# Altium PCB NFC-Reader.PcbDoc (part 2 of 3) (continued)
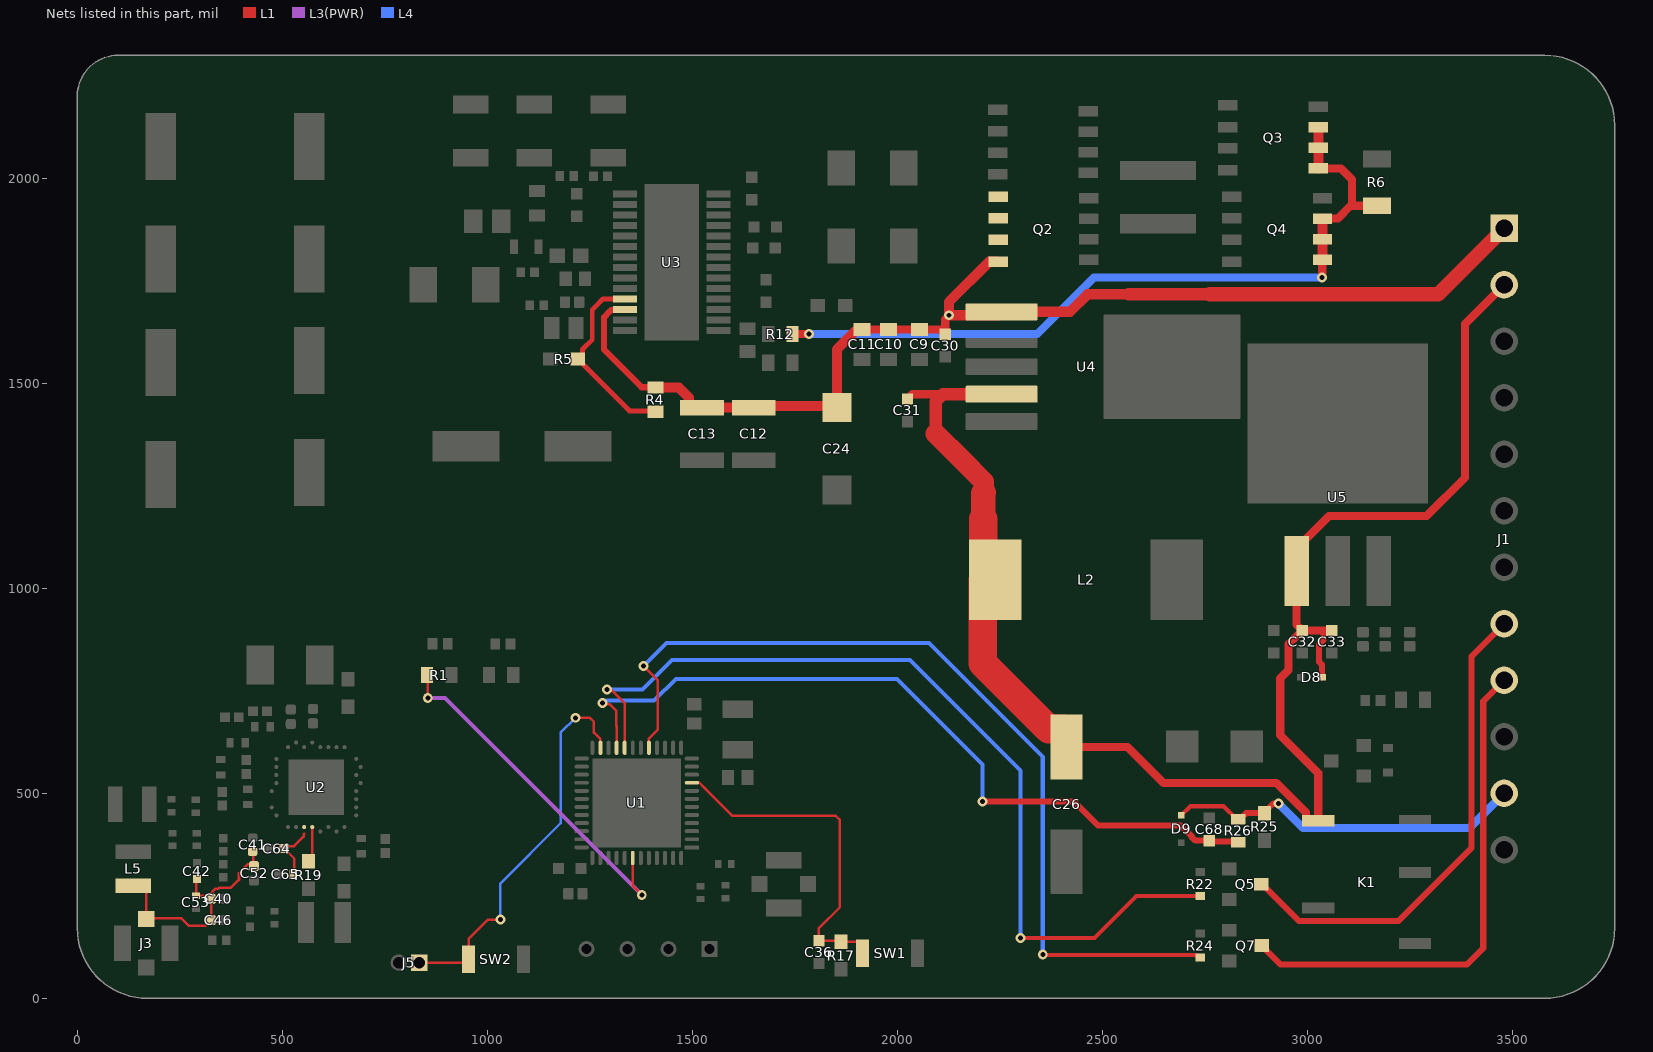
[diagram p4: the nets of this part, all layers, seen from the top]
## Part data (continued)
J4: "4 Position Header Connector Post Tin", LCSC PN=C6723467, Manufacturer=Samtec, Manufacturer Lifecycle Status=PRODUCTION, Max Current Rating=1A, Max Operating Temperature=105°C, Min Operating Temperature=-55°C, Category="Headers and Wire Housings", ComponentLink1Description=https://datasheet.octopart.com:443/TS-104-T-AA-Samtec-datasheet-97318998.pdf?src-supplier=Master+Electronics, ComponentLink1URL=https://datasheet.octopart.com:443/TS-104-T-AA-Samtec-datasheet-97318998.pdf?src-supplier=Master+Electronics, ComponentLink2Description=https://datasheet.octopart.com:443/TS-104-T-AA-Samtec-datasheet-150856305.pdf?src-supplier=Electro+Sonic, ComponentLink2URL=https://datasheet.octopart.com:443/TS-104-T-AA-Samtec-datasheet-150856305.pdf?src-supplier=Electro+Sonic, ComponentLink3Description=https://datasheet.octopart.com:443/TS-104-T-AA-Samtec-datasheet-13698575.pdf?src-supplier=Electro+Sonic, ComponentLink3URL=https://datasheet.octopart.com:443/TS-104-T-AA-Samtec-datasheet-13698575.pdf?src-supplier=Electro+Sonic, ComponentLink4Description=https://datasheet.octopart.com:443/TS-104-T-AA-Samtec-datasheet-37173861.pdf?src-supplier=Electro+Sonic, ComponentLink4URL=https://datasheet.octopart.com:443/TS-104-T-AA-Samtec-datasheet-37173861.pdf?src-supplier=Electro+Sonic, ComponentLink5Description=https://datasheet.octopart.com:443/TS-104-T-AA-Samtec-datasheet-41643166.pdf?src-supplier=Farnell, ComponentLink5URL=https://datasheet.octopart.com:443/TS-104-T-AA-Samtec-datasheet-41643166.pdf?src-supplier=Farnell, ComponentLink6Description=https://datasheet.octopart.com:443/TS-104-T-AA-Samtec-datasheet-28904454.pdf?src-supplier=Farnell, ComponentLink6URL=https://datasheet.octopart.com:443/TS-104-T-AA-Samtec-datasheet-28904454.pdf?src-supplier=Farnell, ComponentLink7Description=https://datasheet.octopart.com:443/TS-104-T-AA-Samtec-datasheet-8451641.pdf?src-supplier=Farnell, ComponentLink7URL=https://datasheet.octopart.com:443/TS-104-T-AA-Samtec-datasheet-8451641.pdf?src-supplier=Farnell, ComponentLink8Description=https://datasheet.octopart.com:443/TS-104-T-AA-Samtec-datasheet-179090728.pdf?src-supplier=Sager+Electronics, ComponentLink8URL=https://datasheet.octopart.com:443/TS-104-T-AA-Samtec-datasheet-179090728.pdf?src-supplier=Sager+Electronics, ComponentLink9Description=https://datasheet.octopart.com:443/TS-104-T-AA-Samtec-datasheet-118235246.pdf?src-supplier=Sager+Electronics, ComponentLink9URL=https://datasheet.octopart.com:443/TS-104-T-AA-Samtec-datasheet-118235246.pdf?src-supplier=Sager+Electronics, ComponentLink10Description=https://datasheet.octopart.com:443/TS-104-T-AA-Samtec-datasheet-116533476.pdf?src-supplier=Toby+Electronics, ComponentLink10URL=https://datasheet.octopart.com:443/TS-104-T-AA-Samtec-datasheet-116533476.pdf?src-supplier=Toby+Electronics, ComponentLink11Description=https://datasheet.octopart.com:443/TS-104-T-AA-Samtec-datasheet-116536303.pdf?src-supplier=Toby+Electronics, ComponentLink11URL=https://datasheet.octopart.com:443/TS-104-T-AA-Samtec-datasheet-116536303.pdf?src-supplier=Toby+Electronics, Contact Material=Brass, Contact Plating=Tin, Gender=Male, Lifecycle Status=Production, Manufacturer Part Number=TS-104-T-AA, Mounting Technology="Through Hole", Number of Contacts=4, Number of Rows=1, Orientation=Straight, Pitch=2.54mm, Pricing="1=0.73, 50=0.57, 100=0.46, 500=0.39, 1000=0.372 (USD)", Radiation Hardening=No, REACH SVHC=No, RoHS=Compliant, Stock=916, Supplier=DigiKey, Termination=Solder
J5: "Connector Header Through Hole 2 position 0.050\" (1.27mm)", LCSC Part Number=C6045317, Manufacturer=Samtec, Manufacturer Lifecycle Status=PRODUCTION, Category="Headers and Wire Housings", ComponentLink1Description=https://datasheet.octopart.com:443/FTS-102-01-F-S-Samtec-datasheet-97029283.pdf?src-supplier=Newark, ComponentLink1URL=https://datasheet.octopart.com:443/FTS-102-01-F-S-Samtec-datasheet-97029283.pdf?src-supplier=Newark, ComponentLink2Description=https://sigma.octopart.com:443/97029285/technical_drawing/Samtec-FTS-102-01-F-S.pdf?src-supplier=Newark, ComponentLink2URL=https://sigma.octopart.com:443/97029285/technical_drawing/Samtec-FTS-102-01-F-S.pdf?src-supplier=Newark, ComponentLink3Description=https://datasheet.octopart.com:443/FTS-102-01-F-S-Samtec-datasheet-118493358.pdf?src-supplier=Electro+Sonic, ComponentLink3URL=https://datasheet.octopart.com:443/FTS-102-01-F-S-Samtec-datasheet-118493358.pdf?src-supplier=Electro+Sonic, ComponentLink4Description=https://datasheet.octopart.com:443/FTS-102-01-F-S-Samtec-datasheet-165596534.pdf?src-supplier=JRH+Electronics, ComponentLink4URL=https://datasheet.octopart.com:443/FTS-102-01-F-S-Samtec-datasheet-165596534.pdf?src-supplier=JRH+Electronics, ComponentLink5Description=https://datasheet.octopart.com:443/FTS-102-01-F-S-Samtec-datasheet-176663378.pdf?src-supplier=Toby+Electronics, ComponentLink5URL=https://datasheet.octopart.com:443/FTS-102-01-F-S-Samtec-datasheet-176663378.pdf?src-supplier=Toby+Electronics, ComponentLink6Description=https://datasheet.octopart.com:443/FTS-102-01-F-S-Samtec-datasheet-116535195.pdf?src-supplier=Toby+Electronics, ComponentLink6URL=https://datasheet.octopart.com:443/FTS-102-01-F-S-Samtec-datasheet-116535195.pdf?src-supplier=Toby+Electronics, ComponentLink7Description=https://datasheet.octopart.com:443/FTS-102-01-F-S-Samtec-datasheet-136395376.pdf?src-supplier=Toby+Electronics, ComponentLink7URL=https://datasheet.octopart.com:443/FTS-102-01-F-S-Samtec-datasheet-136395376.pdf?src-supplier=Toby+Electronics, ComponentLink8Description=https://datasheet.octopart.com:443/FTS-102-01-F-S-Samtec-datasheet-151470456.pdf?src-supplier=Sager+Electronics, ComponentLink8URL=https://datasheet.octopart.com:443/FTS-102-01-F-S-Samtec-datasheet-151470456.pdf?src-supplier=Sager+Electronics, Contact Plating=Gold, Gender=Male, Lifecycle Status=Production, Manufacturer Part Number=FTS-102-01-F-S, Mounting Technology="Through Hole", Number of Contacts=2, Number of Rows=1, Packaging=Bulk, Pitch=1.27mm, Pricing="1=0.49, 50=0.4252, 100=0.3608, 500=0.2994, 1000=0.25609, 2000=0.252 (USD)", Radiation Hardening=No, RoHS=Compliant, Stock=861, Supplier=DigiKey, Termination=Solder
K1: "Telecom Relay SPDT (1 Form C) Surface Mount", Ambient Temperature Range High=85°C, Clock Frequency=900MHz, Coil Current=28mA, Coil Power=140mW, Coil Resistance=178Ω, Coil Voltage (DC)=3.75V, Contact Current Rating=3A, Contact Resistance=50mΩ, Contact Voltage Rating (AC)=250V, Contact Voltage Rating (DC)=220V, Current Rating=4A, Insulation Resistance=1TΩ, LCSC PN=C574842, Manufacturer="TE Connectivity", Manufacturer Lifecycle Status=ACTIVE, Min Operating Temperature=-40°C, Category="Signal Relays", China RoHS=Compliant, Coil Type=Non-Latching, ComponentLink1Description=https://datasheet.octopart.com:443/1462042-8-TE-Connectivity-datasheet-137420492.pdf?src-supplier=JRH+Electronics, ComponentLink1URL=https://datasheet.octopart.com:443/1462042-8-TE-Connectivity-datasheet-137420492.pdf?src-supplier=JRH+Electronics, ComponentLink2Description=https://datasheet.octopart.com:443/1462042-8-TE-Connectivity-datasheet-179946163.pdf?src-supplier=IHS, ComponentLink2URL=https://datasheet.octopart.com:443/1462042-8-TE-Connectivity-datasheet-179946163.pdf?src-supplier=IHS, ComponentLink3Description=https://sigma.octopart.com:443/38875905/technical_drawing/TE-Connectivity-1462042-8.pdf?src-supplier=TE+Connectivity, ComponentLink3URL=https://sigma.octopart.com:443/38875905/technical_drawing/TE-Connectivity-1462042-8.pdf?src-supplier=TE+Connectivity, ComponentLink4Description=https://datasheet.octopart.com:443/1462042-8-TE-Connectivity-datasheet-14547674.pdf?src-supplier=TE+Connectivity, ComponentLink4URL=https://datasheet.octopart.com:443/1462042-8-TE-Connectivity-datasheet-14547674.pdf?src-supplier=TE+Connectivity, ComponentLink5Description=https://datasheet.octopart.com:443/1462042-8-TE-Connectivity-datasheet-136865190.pdf?src-supplier=TE+Connectivity, ComponentLink5URL=https://datasheet.octopart.com:443/1462042-8-TE-Connectivity-datasheet-136865190.pdf?src-supplier=TE+Connectivity, ComponentLink6Description=https://datasheet.octopart.com:443/1462042-8-TE-Connectivity-datasheet-136861145.pdf?src-supplier=TE+Connectivity, ComponentLink6URL=https://datasheet.octopart.com:443/1462042-8-TE-Connectivity-datasheet-136861145.pdf?src-supplier=TE+Connectivity, ComponentLink7Description=https://sigma.octopart.com:443/136536779/technical_drawing/TE-Connectivity-1462042-8.pdf?src-supplier=TE+Connectivity, ComponentLink7URL=https://sigma.octopart.com:443/136536779/technical_drawing/TE-Connectivity-1462042-8.pdf?src-supplier=TE+Connectivity, ComponentLink8Description=https://sigma.octopart.com:443/68321908/technical_drawing/TE-Connectivity-1462042-8.pdf?src-supplier=TE+Connectivity, ComponentLink8URL=https://sigma.octopart.com:443/68321908/technical_drawing/TE-Connectivity-1462042-8.pdf?src-supplier=TE+Connectivity, ComponentLink9Description=https://sigma.octopart.com:443/14546022/technical_drawing/TE-Connectivity-1462042-8.pdf?src-supplier=TE+Connectivity, ComponentLink9URL=https://sigma.octopart.com:443/14546022/technical_drawing/TE-Connectivity-1462042-8.pdf?src-supplier=TE+Connectivity, ComponentLink10Description=https://datasheet.octopart.com:443/1462042-8-TE-Connectivity-datasheet-130056123.pdf?src-supplier=Electro+Sonic, ComponentLink10URL=https://datasheet.octopart.com:443/1462042-8-TE-Connectivity-datasheet-130056123.pdf?src-supplier=Electro+Sonic, ComponentLink11Description=https://datasheet.octopart.com:443/1462042-8-TE-Connectivity-datasheet-129083727.pdf?src-supplier=Electro+Sonic, ComponentLink11URL=https://datasheet.octopart.com:443/1462042-8-TE-Connectivity-datasheet-129083727.pdf?src-supplier=Electro+Sonic, ComponentLink12Description=https://datasheet.octopart.com:443/1462042-8-Tyco-Electronics-datasheet-11758492.pdf?src-supplier=Electro+Sonic, ComponentLink12URL=https://datasheet.octopart.com:443/1462042-8-Tyco-Electronics-datasheet-11758492.pdf?src-supplier=Electro+Sonic, ComponentLink13Description=https://datasheet.octopart.com:443/1462042-8-TE-Connectivity-datasheet-114345573.pdf?src-supplier=Master+Electronics, ComponentLink13URL=https://datasheet.octopart.com:443/1462042-8-TE-Connectivity-datasheet-114345573.pdf?src-supplier=Master+Electronics, ComponentLink14Description=https://datasheet.octopart.com:443/1462042-8-TE-Connectivity-datasheet-82456702.pdf?src-supplier=Farnell, ComponentLink14URL=https://datasheet.octopart.com:443/1462042-8-TE-Connectivity-datasheet-82456702.pdf?src-supplier=Farnell, ComponentLink15Description=https://datasheet.octopart.com:443/1462042-8-TE-Connectivity-datasheet-147567808.pdf?src-supplier=RS+(Formerly+Allied+Electronics), ComponentLink15URL=https://datasheet.octopart.com:443/1462042-8-TE-Connectivity-datasheet-147567808.pdf?src-supplier=RS+(Formerly+Allied+Electronics), ComponentLink16Description=https://datasheet.octopart.com:443/1462042-8-TE-Connectivity-datasheet-147411287.pdf?src-supplier=RS+(Formerly+Allied+Electronics), ComponentLink16URL=https://datasheet.octopart.com:443/1462042-8-TE-Connectivity-datasheet-147411287.pdf?src-supplier=RS+(Formerly+Allied+Electronics), ComponentLink17Description=https://datasheet.octopart.com:443/1462042-8-TE-Connectivity-datasheet-147402889.pdf?src-supplier=RS+(Formerly+Allied+Electronics), ComponentLink17URL=https://datasheet.octopart.com:443/1462042-8-TE-Connectivity-datasheet-147402889.pdf?src-supplier=RS+(Formerly+Allied+Electronics), ComponentLink18Description=https://datasheet.octopart.com:443/1462042-8-Axicom-datasheet-15983679.pdf?src-supplier=Newark, ComponentLink18URL=https://datasheet.octopart.com:443/1462042-8-Axicom-datasheet-15983679.pdf?src-supplier=Newark, ComponentLink19Description=https://datasheet.octopart.com:443/1462042-8-TE-Connectivity-datasheet-15792550.pdf?src-supplier=Future+Electronics, ComponentLink19URL=https://datasheet.octopart.com:443/1462042-8-TE-Connectivity-datasheet-15792550.pdf?src-supplier=Future+Electronics, ComponentLink20Description=http://sigma.octopart.com:80/99347369/materials_sheet/TE-Connectivity-1462042-8.pdf?src-supplier=Compliance+Statements, ComponentLink20URL=http://sigma.octopart.com:80/99347369/materials_sheet/TE-Connectivity-1462042-8.pdf?src-supplier=Compliance+Statements, ComponentLink21Description=http://sigma.octopart.com:80/14547716/rohs_certificate/AMP-1462042-8.pdf?src-supplier=Compliance+Statements, ComponentLink21URL=http://sigma.octopart.com:80/14547716/rohs_certificate/AMP-1462042-8.pdf?src-supplier=Compliance+Statements, Contact Material="Gold, Ruthenium", Contact Plating=Gold, Depth=7.5mm, Electrical Life=100kcycles, ELV=Compliant, Height=5.65mm, Insertion Loss (dB)=-0.03dB, Lead Free="Lead Free", Length=9.9822mm, Lifecycle Status=Production, Manufacturer Part Number=1462042-8, Max Current Rating=3A, Max Operating Temperature=85°C, Max Voltage Rating (AC)=250V, Max Voltage Rating (DC)=220V, Mounting Technology="Surface Mount", Number of Contacts=1, Number of Terminals=5, Operate Time=1ms, Packaging="Tape and Reel", Pins=5, Pricing="1=4.05, 10=3.609, 25=3.4468, 50=3.3286, 100=3.2145, 250=3.06948, 500=2.96408 (USD)", REACH SVHC=Yes, Relay Type=Relay, Release Time=2ms, Response Time=2ms, RoHS=Compliant, Sealable="IP67, RT5", Supplier=DigiKey, Switching Current=4A, Termination=PCB, Throw Configuration=SPDT, Voltage Rating (AC)=250V, Voltage Rating (DC)=220V, Weight=750mg, Width=5.6388mm
L1: library part XAL5050-562MEC, "5.6 µH Shielded Molded Inductor 7.2 A 25.8mOhm Max Nonstandard", DC Resistance (DCR)=25.8mΩ, LCSC PN=C7305309, Manufacturer=Coilcraft, Max Current Rating=7.2A, Max Operating Temperature=125°C, Min Operating Temperature=-40°C, Self Resonant Frequency=25MHz, Test Frequency=1MHz, Tolerance=20%, Category="Fixed Inductors", ComponentLink1Description=https://datasheet.octopart.com:443/XAL5050-562MEC-Coilcraft-datasheet-180122023.pdf?src-supplier=IHS, ComponentLink1URL=https://datasheet.octopart.com:443/XAL5050-562MEC-Coilcraft-datasheet-180122023.pdf?src-supplier=IHS, ComponentLink2Description=https://datasheet.octopart.com:443/XAL5050-562MEC-Coilcraft-datasheet-10792017.pdf?src-supplier=Coilcraft+Direct, ComponentLink2URL=https://datasheet.octopart.com:443/XAL5050-562MEC-Coilcraft-datasheet-10792017.pdf?src-supplier=Coilcraft+Direct, Core Material=Composite, Height=5.1mm, Lead Free="Contains Lead", Length=5.68mm, Lifecycle Status=Production, Manufacturer Part Number=XAL5050-562MEC, Max DC Current=7.2A, Number of Circuits=1, Number of Terminals=2, Pricing="1=4.11, 100=3.6, 250=2.715, 500=1.635 (USD)", REACH SVHC=Yes, RoHS=Compliant, Shielding=Yes, Stock=4733, Supplier="DigiKey Marketplace", Termination=SMD/SMT, Width=5.28mm
L2: library part AMDLA1306Q-101MT, "100 µH Shielded Molded Inductor 3.8 A 161mOhm Max Nonstandard", DC Resistance (DCR)=161mΩ, LCSC PN=C1016338, Manufacturer=Abracon, Max Current Rating=3.8A, Max Operating Temperature=155°C, Min Operating Temperature=-55°C, Test Frequency=100kHz, Tolerance=20%, Category="Fixed Inductors", ComponentLink1Description=https://datasheet.octopart.com:443/AMDLA1306Q-101MT-Abracon-datasheet-182205435.pdf?src-supplier=IHS, ComponentLink1URL=https://datasheet.octopart.com:443/AMDLA1306Q-101MT-Abracon-datasheet-182205435.pdf?src-supplier=IHS, ComponentLink2Description=http://sigma.octopart.com:80/conflict_mineral_statement/Abracon-company-27.pdf?src-supplier=Compliance+Statements, ComponentLink2URL=http://sigma.octopart.com:80/conflict_mineral_statement/Abracon-company-27.pdf?src-supplier=Compliance+Statements, Height=6.2mm, Lifecycle Status=Production, Manufacturer Part Number=AMDLA1306Q-101MT, Number of Circuits=1, Number of Terminals=2, Pricing="500=0.69478 (USD)", REACH SVHC=Yes, RoHS=Compliant, Shielding=Yes, Supplier=DigiKey, Width=12.6mm
L3: library part 744762215A, "150 nH Unshielded Drum Core, Wirewound Inductor 800 mA 220mOhm Max 1008 (2520 Metric)", Ambient Temperature Range High=110°C, Ambient Temperature Range Low=-40°C, Case Code (Imperial)=1008, Case Code (Metric)=2520, Current Rating=800mA, DC Resistance (DCR)=220mΩ, Frequency=100MHz, Inductance Tolerance=5%, Manufacturer="Wurth Elektronik", Max Operating Temperature=125°C, Self Resonant Frequency=880MHz, Case/Package=1008, Category="Fixed Inductors", ComponentLink1Description=https://datasheet.octopart.com:443/744762215A-Wurth-Elektronik-datasheet-168491789.pdf?src-supplier=Wurth+Elektronik, ComponentLink1URL=https://datasheet.octopart.com:443/744762215A-Wurth-Elektronik-datasheet-168491789.pdf?src-supplier=Wurth+Elektronik, ComponentLink2Description=https://datasheet.octopart.com:443/744762215A-W%C3%BCrth-Elektronik-datasheet-11520320.pdf?src-supplier=element14+APAC, ComponentLink2URL=https://datasheet.octopart.com:443/744762215A-W%C3%BCrth-Elektronik-datasheet-11520320.pdf?src-supplier=element14+APAC, ComponentLink3Description=https://datasheet.octopart.com:443/744762215A-Wurth-Elektronik-datasheet-181536004.pdf?src-supplier=Newark, ComponentLink3URL=https://datasheet.octopart.com:443/744762215A-Wurth-Elektronik-datasheet-181536004.pdf?src-supplier=Newark, Composition="Ceramic, Wirewound", Core Material=Ceramic, ESR=220mΩ, Height=1.6mm, Length=2.5mm, Manufacturer Part Number=744762215A, Material=Ceramic, Max DC Current=800mA, Min Operating Temperature=-40°C, Mounting Technology="Surface Mount", Pricing="1=0.47, 10=0.45, 50=0.419, 100=0.388, 500=0.357, 1000=0.327, 2000=0.2664 (USD)", Q Factor=45, REACH SVHC=Unknown, RoHS=Compliant, Shielding=Unshielded, Stock=3153, Supplier=DigiKey, Termination=SMD/SMT, Test Frequency=100MHz, Tolerance=5%, Weight=20mg, Width=2mm
L4: library part BWCS00292821R91J00, "910 nH Unshielded Drum Core, Wirewound Inductor 380 mA 1.68Ohm Max 1008 (2520 Metric)", Case/Package=1008, DC Resistance (DCR)=1.68Ω, LCSC PN=C5564290, Manufacturer="Pulse Electronics", Max Current Rating=380mA, Max Operating Temperature=125°C, Min Operating Temperature=-40°C, Self Resonant Frequency=320MHz, Test Frequency=25MHz, Tolerance=5%, Category="Fixed Inductors", ComponentLink1Description=https://datasheet.octopart.com:443/BWCS00292821R91J00-Pulse-datasheet-180094650.pdf?src-supplier=IHS, ComponentLink1URL=https://datasheet.octopart.com:443/BWCS00292821R91J00-Pulse-datasheet-180094650.pdf?src-supplier=IHS, ComponentLink2Description=https://datasheet.octopart.com:443/BWCS00292821R91J00-Pulse-datasheet-155427417.pdf?src-supplier=IHS, ComponentLink2URL=https://datasheet.octopart.com:443/BWCS00292821R91J00-Pulse-datasheet-155427417.pdf?src-supplier=IHS, Core Material=Ceramic, Height=2.1mm, Lifecycle Status=Production, Manufacturer Part Number=BWCS00292821R91J00, Number of Circuits=1, Number of Terminals=2, Pricing="2000=0.08178 (USD)", Q Factor=35, REACH SVHC=Yes, RoHS=Compliant, Shielding=No, Supplier=DigiKey, Width=2.79mm
L5: library part 744762233A, "330 nH Unshielded Drum Core, Wirewound Inductor 500 mA 900mOhm Max 1008 (2520 Metric)", Ambient Temperature Range High=110°C, Ambient Temperature Range Low=-40°C, Case Code (Imperial)=1008, Case Code (Metric)=2520, Current Rating=500mA, DC Resistance (DCR)=900mΩ, Frequency=100MHz, Inductance Tolerance=5%, Manufacturer="Wurth Elektronik", Max Operating Temperature=125°C, Self Resonant Frequency=570MHz, Case/Package=1008, Category="Fixed Inductors", ComponentLink1Description=https://datasheet.octopart.com:443/744762233A-Wurth-Elektronik-datasheet-168491793.pdf?src-supplier=Farnell, ComponentLink1URL=https://datasheet.octopart.com:443/744762233A-Wurth-Elektronik-datasheet-168491793.pdf?src-supplier=Farnell, ComponentLink2Description=https://datasheet.octopart.com:443/744762233A-W%C3%BCrth-Elektronik-datasheet-11534833.pdf?src-supplier=element14+APAC, ComponentLink2URL=https://datasheet.octopart.com:443/744762233A-W%C3%BCrth-Elektronik-datasheet-11534833.pdf?src-supplier=element14+APAC, ComponentLink3Description=https://datasheet.octopart.com:443/744762233A-Wurth-Elektronik-datasheet-181536009.pdf?src-supplier=Newark, ComponentLink3URL=https://datasheet.octopart.com:443/744762233A-Wurth-Elektronik-datasheet-181536009.pdf?src-supplier=Newark, ComponentLink4Description=https://datasheet.octopart.com:443/744762233A-W%C3%BCrth-Elektronik-datasheet-111089033.pdf?src-supplier=RS+(Formerly+Allied+Electronics), ComponentLink4URL=https://datasheet.octopart.com:443/744762233A-W%C3%BCrth-Elektronik-datasheet-111089033.pdf?src-supplier=RS+(Formerly+Allied+Electronics), Composition="Ceramic, Wirewound", Core Material=Ceramic, ESR=900mΩ, Height=1.6mm, Length=2.5mm, Manufacturer Part Number=744762233A, Material=Ceramic, Max DC Current=500mA, Min Operating Temperature=-40°C, Mounting Technology="Surface Mount", Pricing="1=0.47, 10=0.45, 50=0.419, 100=0.388, 500=0.357, 1000=0.327, 2000=0.2664 (USD)", Q Factor=45, REACH SVHC=Unknown, RoHS=Compliant, Shielding=Unshielded, Stock=5048, Supplier=DigiKey, Termination=SMD/SMT, Test Frequency=100MHz, Tolerance=5%, Weight=20mg, Width=2mm
Q1 Q2 Q3 Q4: "N-Channel 80 V 7A (Ta), 23A (Tc) 2.5W (Ta), 32W (Tc) Surface Mount PG-TDSON-8-5", Continuous Drain Current (ID)=7A, Drain to Source Resistance=34mΩ, Drain to Source Voltage (Vdss)=80V, Gate to Source Voltage (Vgs)=20V, Input Capacitance=564pF, LCSC PN=C83511, Manufacturer=Infineon, Max Operating Temperature=150°C, Max Power Dissipation=32W, Min Operating Temperature=-55°C, Package Quantity=5000, Category=MOSFETs, China RoHS=Compliant, ComponentLink1Description=https://datasheet.octopart.com:443/BSC340N08NS3GATMA1-Infineon-datasheet-11791424.pdf?src-supplier=IHS, ComponentLink1URL=https://datasheet.octopart.com:443/BSC340N08NS3GATMA1-Infineon-datasheet-11791424.pdf?src-supplier=IHS, ComponentLink2Description=https://datasheet.octopart.com:443/BSC340N08NS3-G-Infineon-datasheet-10738940.pdf?src-supplier=iiiC, ComponentLink2URL=https://datasheet.octopart.com:443/BSC340N08NS3-G-Infineon-datasheet-10738940.pdf?src-supplier=iiiC, ComponentLink3Description=http://sigma.octopart.com:80/conflict_mineral_statement/Infineon-company-51.pdf?src-supplier=Compliance+Statements, ComponentLink3URL=http://sigma.octopart.com:80/conflict_mineral_statement/Infineon-company-51.pdf?src-supplier=Compliance+Statements, Fall Time=2ns, Halogen Free="Halogen Free", Lead Free="Contains Lead", Lifecycle Status=Production, Manufacturer Part Number=BSC340N08NS3GATMA1, Max Dual Supply Voltage=80V, Min Breakdown Voltage=80V, Mounting Technology="Surface Mount", Number of Elements=1, Number of Terminals=8, On-State Resistance=34mΩ, Packaging="Tape & Reel", Pins=8, Power Dissipation=32W, Pricing="1=0.78, 10=0.632, 100=0.4682, 500=0.41688, 1000=0.35938, 2000=0.34976 (USD)", Radiation Hardening=No, Rds On Max=34mΩ, REACH SVHC=No, Rise Time=3ns, RoHS=Compliant, Schedule B="8541290080, 8541290080|8541290080|8541290080|8541290080|8541290080", Stock=65358, Supplier=DigiKey, Turn-Off Delay Time=11ns, Turn-On Delay Time=8ns
Q5 Q6 Q7: "Bipolar (BJT) Transistor NPN 45 V 500 mA 100MHz 300 mW Surface Mount SOT-23-3 (TO-236)", Case/Package=SOT-23-3, Clock Frequency=100MHz, Collector Base Voltage (VCBO)=50V, Collector Emitter Breakdown Voltage=45V, Collector Emitter Saturation Voltage=700mV, Current Rating=500mA, Emitter Base Voltage (VEBO)=5V, LCSC PN=C82635, Manufacturer=onsemi, Manufacturer Lifecycle Status=ACTIVE, Max Operating Temperature=150°C, Max Power Dissipation=300mW, Min Operating Temperature=-65°C, Category=BJTs, China RoHS=Compliant, Collector Emitter Voltage (VCEO)=45V, ComponentLink1Description=https://datasheet.octopart.com:443/BC817-25LT1G-onsemi-datasheet-175914671.pdf?src-supplier=IHS, ComponentLink1URL=https://datasheet.octopart.com:443/BC817-25LT1G-onsemi-datasheet-175914671.pdf?src-supplier=IHS, ComponentLink2Description=https://datasheet.octopart.com:443/BC817-25LT1G-ON-Semiconductor-datasheet-11547464.pdf?src-supplier=Farnell, ComponentLink2URL=https://datasheet.octopart.com:443/BC817-25LT1G-ON-Semiconductor-datasheet-11547464.pdf?src-supplier=Farnell, ComponentLink3Description=https://datasheet.octopart.com:443/BC817-25LT1G-onsemi-datasheet-170668855.pdf?src-supplier=Farnell, ComponentLink3URL=https://datasheet.octopart.com:443/BC817-25LT1G-onsemi-datasheet-170668855.pdf?src-supplier=Farnell, ComponentLink4Description=https://datasheet.octopart.com:443/BC817-25LT1G-ON-Semiconductor-datasheet-8110464.pdf?src-supplier=Newark, ComponentLink4URL=https://datasheet.octopart.com:443/BC817-25LT1G-ON-Semiconductor-datasheet-8110464.pdf?src-supplier=Newark, ComponentLink5Description=https://datasheet.octopart.com:443/BC817-25LT1G-ON-Semiconductor-datasheet-6400296.pdf?src-supplier=Newark, ComponentLink5URL=https://datasheet.octopart.com:443/BC817-25LT1G-ON-Semiconductor-datasheet-6400296.pdf?src-supplier=Newark, ComponentLink6Description=https://datasheet.octopart.com:443/BC817-25LT1G-ON-Semiconductor-datasheet-37521415.pdf?src-supplier=Newark, ComponentLink6URL=https://datasheet.octopart.com:443/BC817-25LT1G-ON-Semiconductor-datasheet-37521415.pdf?src-supplier=Newark, ComponentLink7Description=https://datasheet.octopart.com:443/BC817-25LT1G-ON-Semiconductor-datasheet-78758879.pdf?src-supplier=element14+APAC, ComponentLink7URL=https://datasheet.octopart.com:443/BC817-25LT1G-ON-Semiconductor-datasheet-78758879.pdf?src-supplier=element14+APAC, ComponentLink8Description=https://datasheet.octopart.com:443/BC817-25LT1G-ON-Semiconductor-datasheet-133521192.pdf?src-supplier=TME, ComponentLink8URL=https://datasheet.octopart.com:443/BC817-25LT1G-ON-Semiconductor-datasheet-133521192.pdf?src-supplier=TME, ComponentLink9Description=https://datasheet.octopart.com:443/BC817-25LT1G-ON-Semiconductor-datasheet-8514921.pdf?src-supplier=TME, ComponentLink9URL=https://datasheet.octopart.com:443/BC817-25LT1G-ON-Semiconductor-datasheet-8514921.pdf?src-supplier=TME, ComponentLink10Description=https://datasheet.octopart.com:443/BC817-25LT1G-ON-Semiconductor-datasheet-14064575.pdf?src-supplier=iiiC, ComponentLink10URL=https://datasheet.octopart.com:443/BC817-25LT1G-ON-Semiconductor-datasheet-14064575.pdf?src-supplier=iiiC, ComponentLink11Description=https://datasheet.octopart.com:443/BC817-25LT1G-ON-Semiconductor-datasheet-7835642.pdf?src-supplier=Jameco, ComponentLink11URL=https://datasheet.octopart.com:443/BC817-25LT1G-ON-Semiconductor-datasheet-7835642.pdf?src-supplier=Jameco, ComponentLink12Description=http://sigma.octopart.com:80/15540786/rohs_certificate/ON-Semiconductor-BC817-25LT1G.pdf?src-supplier=Compliance+Statements, ComponentLink12URL=http://sigma.octopart.com:80/15540786/rohs_certificate/ON-Semiconductor-BC817-25LT1G.pdf?src-supplier=Compliance+Statements, ComponentLink13Description=http://sigma.octopart.com:80/15674305/materials_sheet/ON-Semiconductor-BC817-25LT1G.csv?src-supplier=Compliance+Statements, ComponentLink13URL=http://sigma.octopart.com:80/15674305/materials_sheet/ON-Semiconductor-BC817-25LT1G.csv?src-supplier=Compliance+Statements, ComponentLink14Description=http://sigma.octopart.com:80/150605443/rohs_statement/ON-Semiconductor-BC817-25LT1G.pdf?src-supplier=Compliance+Statements, ComponentLink14URL=http://sigma.octopart.com:80/150605443/rohs_statement/ON-Semiconductor-BC817-25LT1G.pdf?src-supplier=Compliance+Statements, ComponentLink15Description=http://sigma.octopart.com:80/reach_statement/ON-Semiconductor-company-79.pdf?src-supplier=Compliance+Statements, ComponentLink15URL=http://sigma.octopart.com:80/reach_statement/ON-Semiconductor-company-79.pdf?src-supplier=Compliance+Statements, ComponentLink16Description=https://octopart.com:443/opatz8j6/c1?t=FMsNQxrESUyRCPfq8gEj-DENtH3fHkNbbx7UbSs21QzU062yKLGbhUPUpIPy5Xi2ZgBFMEWC5ngHpKXITW9o0rg8ZidRfVCdiF7DZxIUHj2cNfr8gf2p9sCWHDNE-sxkc6W2BttQviWA7OCItC8CjtgmEljBkJW6GmILXQbN04cp2GQUqNfi_HUatOdtl3tLh4sFZvT2DatCOdRbxwA31VwVMIuNhQnoyD21S4-x6Z79kKhsk9HH9ZODpaAlNr6omSmc7dMXiU0xuY1E2aXtxCwt8dPdGEJSzGfpDZ8ebuqGRHbHeVQrJUO3-XmL1gKZT6KZ_KTGZyS5nRtcW4b1fsWAnEei7rLIFfCT6CDP&src-supplier=Compliance+Statements, ComponentLink16URL=https://octopart.com:443/opatz8j6/c1?t=FMsNQxrESUyRCPfq8gEj-DENtH3fHkNbbx7UbSs21QzU062yKLGbhUPUpIPy5Xi2ZgBFMEWC5ngHpKXITW9o0rg8ZidRfVCdiF7DZxIUHj2cNfr8gf2p9sCWHDNE-sxkc6W2BttQviWA7OCItC8CjtgmEljBkJW6GmILXQbN04cp2GQUqNfi_HUatOdtl3tLh4sFZvT2DatCOdRbxwA31VwVMIuNhQnoyD21S4-x6Z79kKhsk9HH9ZODpaAlNr6omSmc7dMXiU0xuY1E2aXtxCwt8dPdGEJSzGfpDZ8ebuqGRHbHeVQrJUO3-XmL1gKZT6KZ_KTGZyS5nRtcW4b1fsWAnEei7rLIFfCT6CDP&src-supplier=Compliance+Statements, ComponentLink17Description=https://octopart.com:443/opatz8j6/c1?t=nUlRrpbF6WczGPO4pfpwBQnU8fi4iCX0epaFCyCK5fth2mOyA6hTCg2G-3-aRRCFw6eqU5JL2JnXrg6A8MVo7KmYt6NPPgcW19QVy9UVLDMw0wHerXAS-lYwjKrGA4wCzbzo9kSFOmU6PWTwVGPEy2GV6BB97n73KCQuFBzDaEH8TUlznyjJWhX0CV-DoAJbMyOpHAIak4qDziO0AtpTCMCbDoHlJldnv_22h4vP_pcU7ZMh310hdqdTKbwu0WkHWG1jzAabqffap4mChuo48GQ05l2336dYBbKSVi3hosrG61bKpJQhz_hO3_YlwH57PQUCekH-ynXCso-DdhQFN3ouqaKvySp1Gcbov0g&src-supplier=Compliance+Statements, ComponentLink17URL=https://octopart.com:443/opatz8j6/c1?t=nUlRrpbF6WczGPO4pfpwBQnU8fi4iCX0epaFCyCK5fth2mOyA6hTCg2G-3-aRRCFw6eqU5JL2JnXrg6A8MVo7KmYt6NPPgcW19QVy9UVLDMw0wHerXAS-lYwjKrGA4wCzbzo9kSFOmU6PWTwVGPEy2GV6BB97n73KCQuFBzDaEH8TUlznyjJWhX0CV-DoAJbMyOpHAIak4qDziO0AtpTCMCbDoHlJldnv_22h4vP_pcU7ZMh310hdqdTKbwu0WkHWG1jzAabqffap4mChuo48GQ05l2336dYBbKSVi3hosrG61bKpJQhz_hO3_YlwH57PQUCekH-ynXCso-DdhQFN3ouqaKvySp1Gcbov0g&src-supplier=Compliance+Statements, Contact Plating=Tin, Element Configuration=Single, Frequency=100MHz, Gain Bandwidth Product=100MHz, Halogen Free="Halogen Free", Height=940µm, hFE Min=160, Lead Free="Lead Free", Length=2.9mm, Lifecycle Status=Production, Manufacturer Part Number=BC817-25LT1G, Max Breakdown Voltage=45V, Max Collector Current=500mA, Number of Elements=1, Number of Terminals=3, Packaging="Tape and Reel", Pins=3, Polarity=NPN, Power Dissipation=300mW, Pricing="1=0.15, 10=0.094, 100=0.0578, 500=0.04192, 1000=0.03675, 3000=0.03013, 6000=0.02679, 9000=0.02508, 15000=0.02315, 21000=0.02201, 30000=0.0209, 75000=0.01847, 150000=0.01696, 300000=0.0157 (USD)", Radiation Hardening=No, REACH SVHC=Yes, RoHS=Compliant, Schedule B="8541210080, 8541210080|8541210080|8541210080|8541210080|8541210080|8541210080|8541210080|8541210080|8541210080|8541210080|8541210080|8541210080|8541210080|8541210080|8541210080|8541210080|8541210080|8541210080|8541210080|8541210080|8541210080|8541210080|8541210080|85", Stock=142814, Supplier=DigiKey, Transition Frequency=100MHz, Width=1.3mm
R1 R2 R3 R12 R15: library part CRCW0603100RFKEA, "100 Ohms ±1% 0.125W, 1/8W Chip Resistor 0603 (1608 Metric) Automotive AEC-Q200 Thick Film", Case Code (Imperial)=0603, LCSC PN=C844917, Manufacturer=Vishay, Max Operating Temperature=155°C, Max Power Dissipation=100mW, Min Operating Temperature=-55°C, Temperature Coefficient=100ppm/°C, Tolerance=1%, Voltage Rating=75V, Case/Package=0603, Category="Chip SMD Resistors", China RoHS=Non-Compliant, ComponentLink1Description=https://datasheet.octopart.com:443/CRCW0603100RFKEA-Vishay-datasheet-175423584.pdf?src-supplier=Newark, ComponentLink1URL=https://datasheet.octopart.com:443/CRCW0603100RFKEA-Vishay-datasheet-175423584.pdf?src-supplier=Newark, ComponentLink2Description=https://datasheet.octopart.com:443/CRCW0603100RFKEA-Vishay-datasheet-14722531.pdf?src-supplier=Newark, ComponentLink2URL=https://datasheet.octopart.com:443/CRCW0603100RFKEA-Vishay-datasheet-14722531.pdf?src-supplier=Newark, ComponentLink3Description=https://datasheet.octopart.com:443/CRCW0603100RFKEA-Vishay-datasheet-11516975.pdf?src-supplier=Newark, ComponentLink3URL=https://datasheet.octopart.com:443/CRCW0603100RFKEA-Vishay-datasheet-11516975.pdf?src-supplier=Newark, ComponentLink4Description=https://datasheet.octopart.com:443/CRCW0603100RFKEA-Vishay-datasheet-41302739.pdf?src-supplier=Newark, ComponentLink4URL=https://datasheet.octopart.com:443/CRCW0603100RFKEA-Vishay-datasheet-41302739.pdf?src-supplier=Newark, ComponentLink5Description=https://datasheet.octopart.com:443/CRCW0603100RFKEA-Vishay-datasheet-33013972.pdf?src-supplier=Newark, ComponentLink5URL=https://datasheet.octopart.com:443/CRCW0603100RFKEA-Vishay-datasheet-33013972.pdf?src-supplier=Newark, ComponentLink6Description=https://datasheet.octopart.com:443/CRCW0603100RFKEA-Vishay-datasheet-21226360.pdf?src-supplier=Newark, ComponentLink6URL=https://datasheet.octopart.com:443/CRCW0603100RFKEA-Vishay-datasheet-21226360.pdf?src-supplier=Newark, ComponentLink7Description=https://datasheet.octopart.com:443/CRCW0603100RFKEA-Vishay-datasheet-62316122.pdf?src-supplier=Future+Electronics, ComponentLink7URL=https://datasheet.octopart.com:443/CRCW0603100RFKEA-Vishay-datasheet-62316122.pdf?src-supplier=Future+Electronics, ComponentLink8Description=https://datasheet.octopart.com:443/CRCW0603100RFKEA-Vishay-datasheet-5300368.pdf?src-supplier=Future+Electronics, ComponentLink8URL=https://datasheet.octopart.com:443/CRCW0603100RFKEA-Vishay-datasheet-5300368.pdf?src-supplier=Future+Electronics, ComponentLink9Description=https://datasheet.octopart.com:443/CRCW0603100RFKEA-Vishay-datasheet-83961561.pdf?src-supplier=element14+APAC, ComponentLink9URL=https://datasheet.octopart.com:443/CRCW0603100RFKEA-Vishay-datasheet-83961561.pdf?src-supplier=element14+APAC, ComponentLink10Description=https://datasheet.octopart.com:443/CRCW0603100RFKEA-Vishay-datasheet-62317933.pdf?src-supplier=element14+APAC, ComponentLink10URL=https://datasheet.octopart.com:443/CRCW0603100RFKEA-Vishay-datasheet-62317933.pdf?src-supplier=element14+APAC, ComponentLink11Description=https://datasheet.octopart.com:443/CRCW0603100RFKEA-Vishay-datasheet-16179825.pdf?src-supplier=element14+APAC, ComponentLink11URL=https://datasheet.octopart.com:443/CRCW0603100RFKEA-Vishay-datasheet-16179825.pdf?src-supplier=element14+APAC, ComponentLink12Description=https://datasheet.octopart.com:443/CRCW0603100RFKEA-Vishay-datasheet-66077789.pdf?src-supplier=element14+APAC, ComponentLink12URL=https://datasheet.octopart.com:443/CRCW0603100RFKEA-Vishay-datasheet-66077789.pdf?src-supplier=element14+APAC, ComponentLink13Description=https://datasheet.octopart.com:443/CRCW0603100RFKEA-Vishay-datasheet-5306405.pdf?src-supplier=RS+(Formerly+Allied+Electronics), ComponentLink13URL=https://datasheet.octopart.com:443/CRCW0603100RFKEA-Vishay-datasheet-5306405.pdf?src-supplier=RS+(Formerly+Allied+Electronics), ComponentLink14Description=https://datasheet.octopart.com:443/CRCW0603100RFKEA-Vishay-Dale-datasheet-47688880.pdf?src-supplier=RS+(Formerly+Allied+Electronics), ComponentLink14URL=https://datasheet.octopart.com:443/CRCW0603100RFKEA-Vishay-Dale-datasheet-47688880.pdf?src-supplier=RS+(Formerly+Allied+Electronics), ComponentLink15Description=https://datasheet.octopart.com:443/CRCW0603100RFKEA-Vishay-datasheet-12001583.pdf?src-supplier=RS+(Formerly+Allied+Electronics), ComponentLink15URL=https://datasheet.octopart.com:443/CRCW0603100RFKEA-Vishay-datasheet-12001583.pdf?src-supplier=RS+(Formerly+Allied+Electronics), ComponentLink16Description=https://datasheet.octopart.com:443/CRCW0603100RFKEA-Vishay-datasheet-137113732.pdf?src-supplier=X-ON, ComponentLink16URL=https://datasheet.octopart.com:443/CRCW0603100RFKEA-Vishay-datasheet-137113732.pdf?src-supplier=X-ON, ComponentLink17Description=https://datasheet.octopart.com:443/CRCW0603100RFKEA-Vishay-datasheet-17834126.pdf?src-supplier=TME, ComponentLink17URL=https://datasheet.octopart.com:443/CRCW0603100RFKEA-Vishay-datasheet-17834126.pdf?src-supplier=TME, ComponentLink18Description=https://datasheet.octopart.com/D-CRCW-e3-Standard-Thick-Film-Chip-Resistors-Vishay-datasheet-family-64.pdf, ComponentLink18URL=https://datasheet.octopart.com/D-CRCW-e3-Standard-Thick-Film-Chip-Resistors-Vishay-datasheet-family-64.pdf, ComponentLink19Description=https://datasheet.octopart.com:443/CRCW0603100RFKEA-Vishay-datasheet-13242068.pdf?src-supplier=Farnell, ComponentLink19URL=https://datasheet.octopart.com:443/CRCW0603100RFKEA-Vishay-datasheet-13242068.pdf?src-supplier=Farnell, ComponentLink20Description=https://datasheet.octopart.com:443/CRCW0603100RFKEA-Vishay-datasheet-13195083.pdf?src-supplier=Farnell, ComponentLink20URL=https://datasheet.octopart.com:443/CRCW0603100RFKEA-Vishay-datasheet-13195083.pdf?src-supplier=Farnell, ComponentLink21Description=https://datasheet.octopart.com:443/CRCW0603100RFKEA-Vishay-datasheet-13034211.pdf?src-supplier=Farnell, ComponentLink21URL=https://datasheet.octopart.com:443/CRCW0603100RFKEA-Vishay-datasheet-13034211.pdf?src-supplier=Farnell, ComponentLink22Description=https://datasheet.octopart.com:443/CRCW0603100RFKEA-Vishay-datasheet-12600034.pdf?src-supplier=Farnell, ComponentLink22URL=https://datasheet.octopart.com:443/CRCW0603100RFKEA-Vishay-datasheet-12600034.pdf?src-supplier=Farnell, ComponentLink23Description=https://datasheet.octopart.com:443/CRCW0603100RFKEA-Vishay-datasheet-12532161.pdf?src-supplier=Farnell, ComponentLink23URL=https://datasheet.octopart.com:443/CRCW0603100RFKEA-Vishay-datasheet-12532161.pdf?src-supplier=Farnell, ComponentLink24Description=https://datasheet.octopart.com:443/CRCW0603100RFKEA-Vishay-datasheet-12517896.pdf?src-supplier=Farnell, ComponentLink24URL=https://datasheet.octopart.com:443/CRCW0603100RFKEA-Vishay-datasheet-12517896.pdf?src-supplier=Farnell, ComponentLink25Description=https://datasheet.octopart.com:443/CRCW0603100RFKEA-Vishay-datasheet-12509762.pdf?src-supplier=Farnell, ComponentLink25URL=https://datasheet.octopart.com:443/CRCW0603100RFKEA-Vishay-datasheet-12509762.pdf?src-supplier=Farnell, ComponentLink26Description=https://datasheet.octopart.com:443/CRCW0603100RFKEA-Vishay-datasheet-10322335.pdf?src-supplier=Farnell, ComponentLink26URL=https://datasheet.octopart.com:443/CRCW0603100RFKEA-Vishay-datasheet-10322335.pdf?src-supplier=Farnell, ComponentLink27Description=https://datasheet.octopart.com:443/CRCW0603100RFKEA-Vishay-datasheet-8788789.pdf?src-supplier=Farnell, ComponentLink27URL=https://datasheet.octopart.com:443/CRCW0603100RFKEA-Vishay-datasheet-8788789.pdf?src-supplier=Farnell, ComponentLink28Description=https://datasheet.octopart.com:443/CRCW0603100RFKEA-Vishay-datasheet-8361388.pdf?src-supplier=Farnell, ComponentLink28URL=https://datasheet.octopart.com:443/CRCW0603100RFKEA-Vishay-datasheet-8361388.pdf?src-supplier=Farnell, ComponentLink29Description=https://datasheet.octopart.com:443/CRCW0603100RFKEA-Vishay-datasheet-546287.pdf?src-supplier=Farnell, ComponentLink29URL=https://datasheet.octopart.com:443/CRCW0603100RFKEA-Vishay-datasheet-546287.pdf?src-supplier=Farnell, ComponentLink30Description=https://datasheet.octopart.com:443/CRCW0603100RFKEA-Vishay-datasheet-11540273.pdf?src-supplier=Arrow+Electronics, ComponentLink30URL=https://datasheet.octopart.com:443/CRCW0603100RFKEA-Vishay-datasheet-11540273.pdf?src-supplier=Arrow+Electronics, ComponentLink31Description=https://datasheet.octopart.com:443/CRCW0603100RFKEA-Vishay-datasheet-8445837.pdf?src-supplier=element14, ComponentLink31URL=https://datasheet.octopart.com:443/CRCW0603100RFKEA-Vishay-datasheet-8445837.pdf?src-supplier=element14, ComponentLink32Description=https://datasheet.octopart.com:443/CRCW0603100RFKEA-Vishay-datasheet-5377433.pdf?src-supplier=Garrett, ComponentLink32URL=https://datasheet.octopart.com:443/CRCW0603100RFKEA-Vishay-datasheet-5377433.pdf?src-supplier=Garrett, ComponentLink33Description=https://datasheet.octopart.com:443/CRCW0603100RFKEA-Vishay-datasheet-148188.pdf?src-supplier=Garrett, ComponentLink33URL=https://datasheet.octopart.com:443/CRCW0603100RFKEA-Vishay-datasheet-148188.pdf?src-supplier=Garrett, ComponentLink34Description=https://datasheet.octopart.com:443/CRCW0603100RFKEA-Vishay-datasheet-30224.pdf?src-supplier=Garrett, ComponentLink34URL=https://datasheet.octopart.com:443/CRCW0603100RFKEA-Vishay-datasheet-30224.pdf?src-supplier=Garrett, ComponentLink35Description=http://sigma.octopart.com:80/rohs_certificate/D-CRCW-e3-Standard-Thick-Film-Chip-Resistors-Vishay-family-102.pdf?src-supplier=Compliance+Statements, ComponentLink35URL=http://sigma.octopart.com:80/rohs_certificate/D-CRCW-e3-Standard-Thick-Film-Chip-Resistors-Vishay-family-102.pdf?src-supplier=Compliance+Statements, Composition="Thick Film", Contact Plating=Tin, Depth=850µm, Features="Automotive AEC-Q200", Height=450µm, Lead Free="Lead Free", Length=1.55mm, Lifecycle Status=Production, Manufacturer Part Number=CRCW0603100RFKEA, Military Standard=Not, Mounting Technology="Surface Mount", Number of Terminals=2, Number of Terminations=2, Packaging="Cut Tape", Pins=2, Power Dissipation=100mW, Power Rating=100mW, Pricing="1=0.1, 10=0.03, 25=0.0224, 50=0.0182, 100=0.015, 250=0.01172, 500=0.0099, 1000=0.00845 (USD)", Radiation Hardening=No, REACH SVHC=Yes, RoHS=Compliant, Schedule B=8533210045, Stock=486492, Supplier=DigiKey, Termination=SMD/SMT, Voltage Rating (DC)=75V, Weight=2.012816mg, Width=850µm, Working Voltage=75V